# Altium PCB HIVE_BOARD - 10x10.PcbDoc (part 3 of 4) (continued)
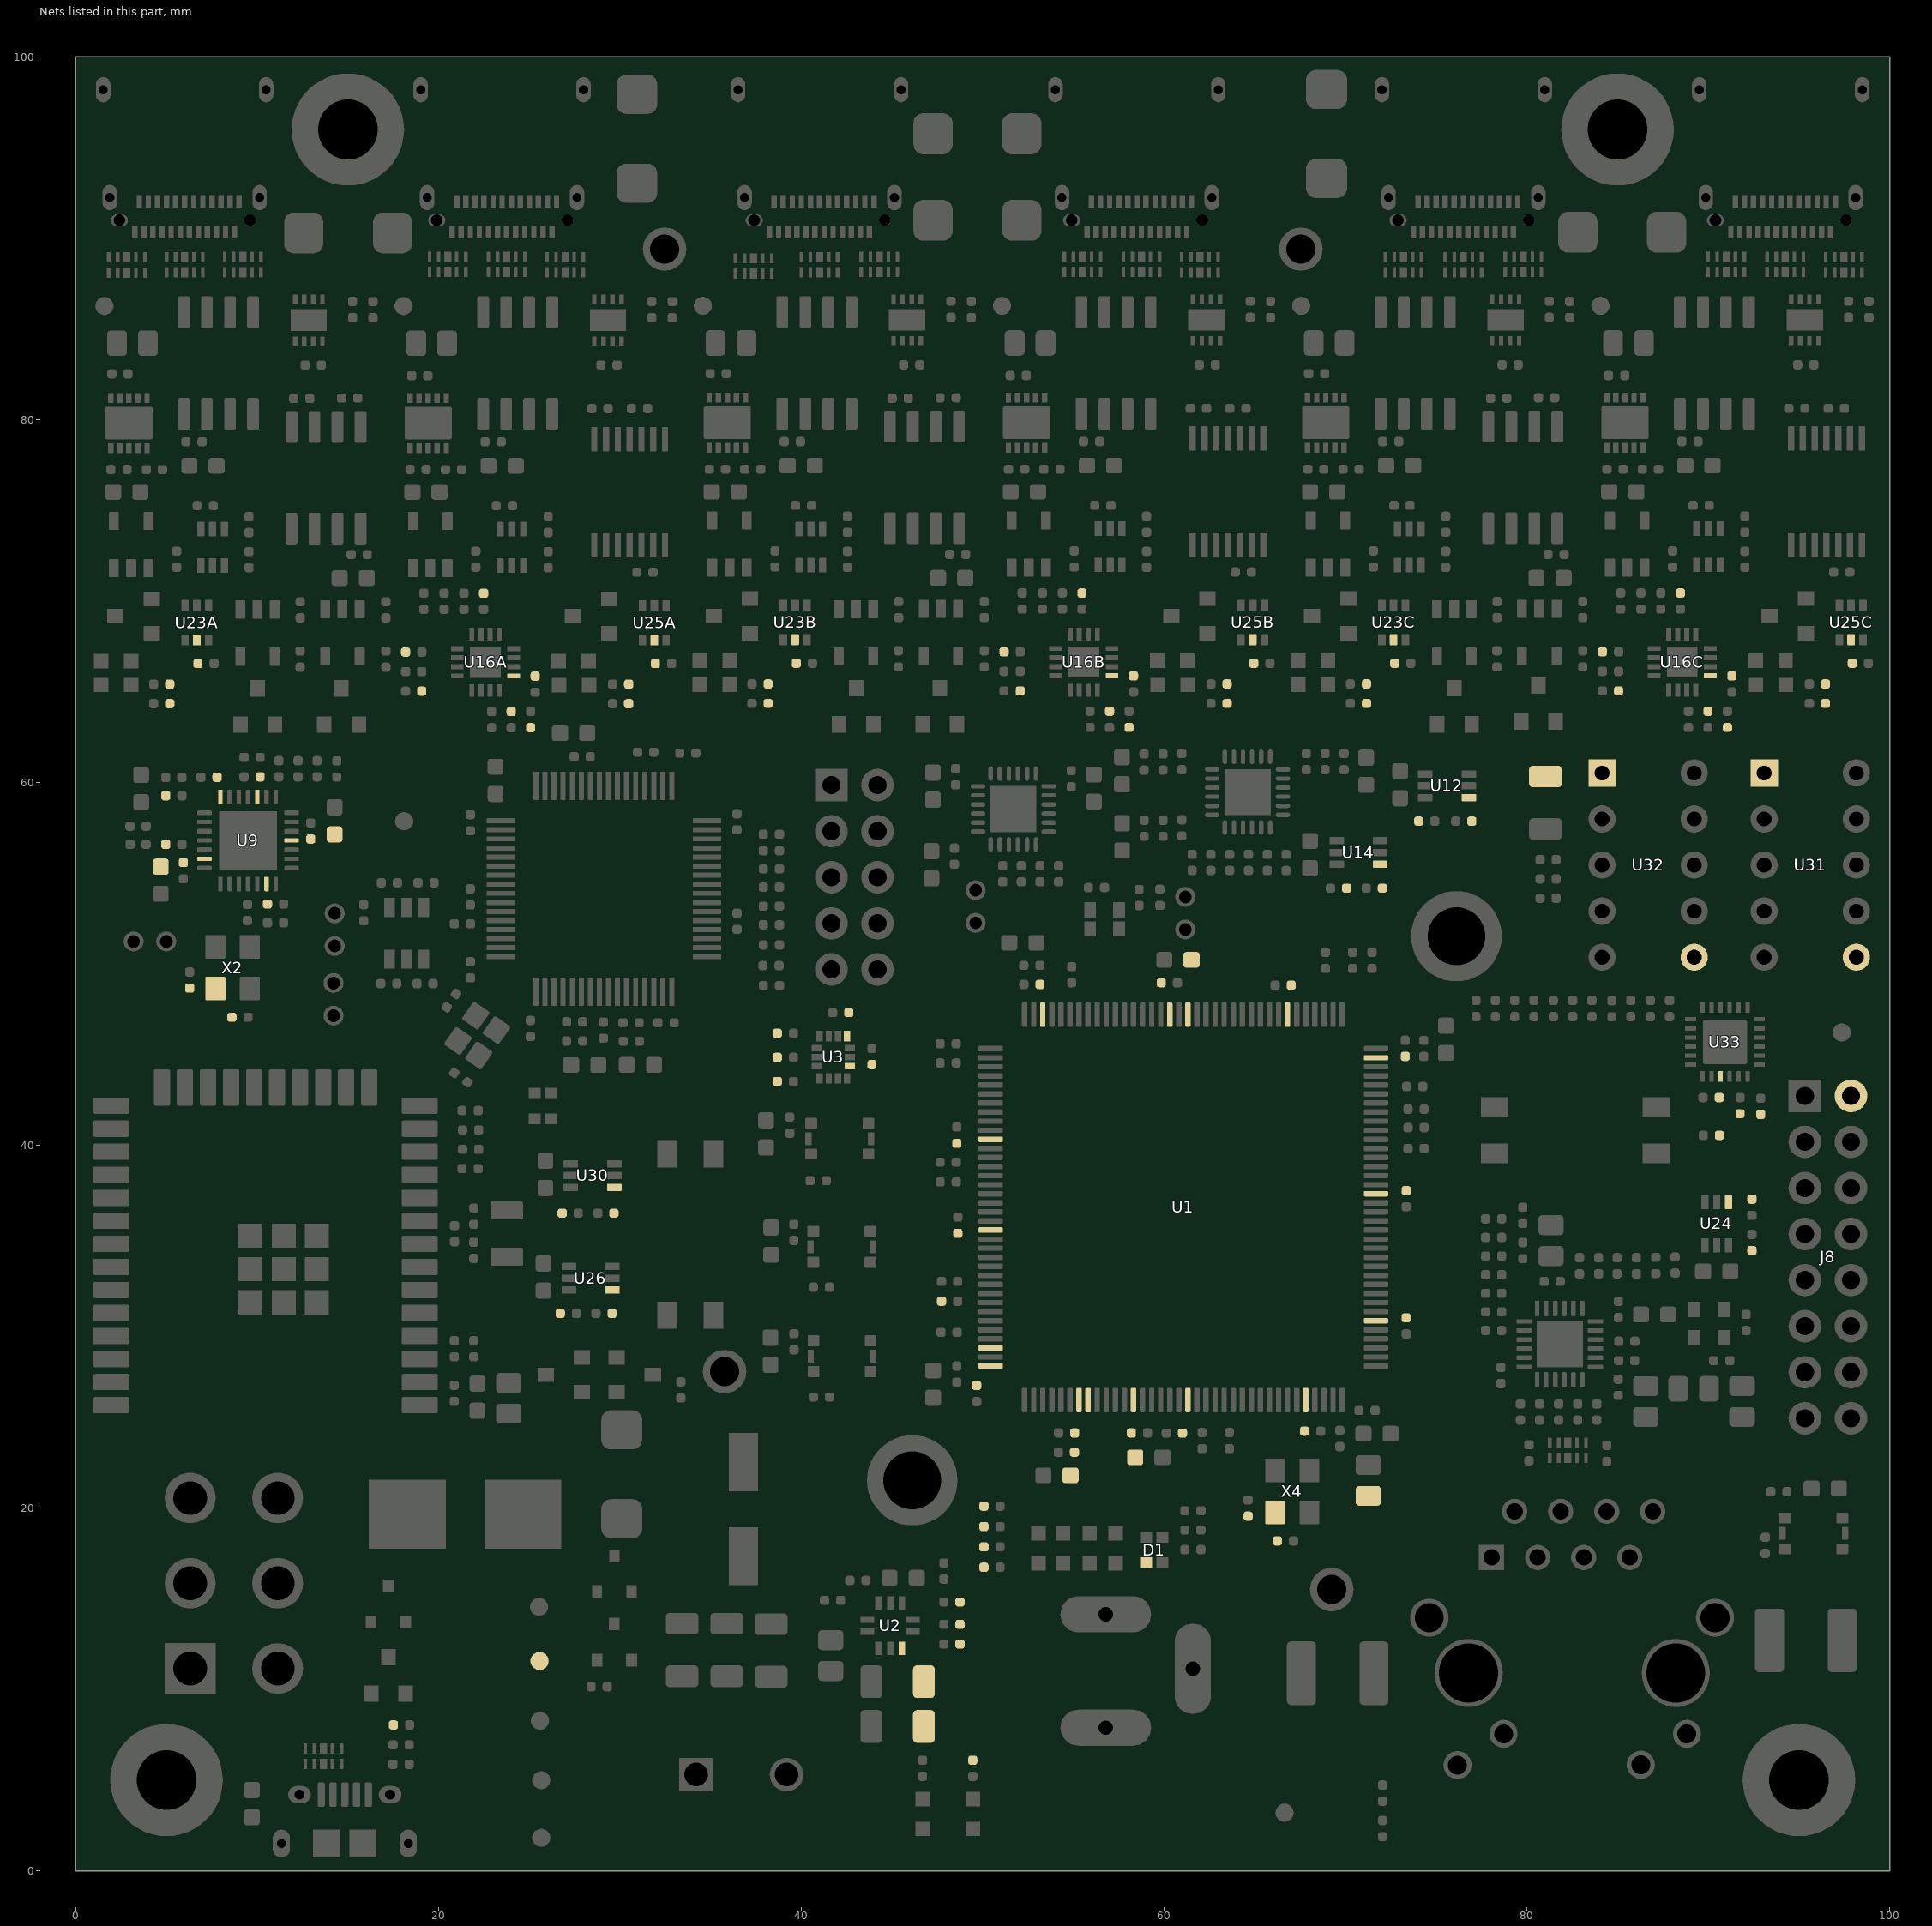
[diagram p7: the nets of this part, all layers, seen from the top]
## Part data (continued)
R72: library part RES_RC0402FR-072K2L, "RES - 2.2K 1% 1/16W - 0402", Manufacturer #1=Yageo, Package=0402, Power Max=1/16W, Supplier Part Number 1=311-2.20KLRCT-ND, Temperature="-55°C ~ 155°C", Tolerance=1%, Voltage Rating=50V, Assembly Type=SMD, CreatedBy/Date="Keven Deslandes 2018-11-14", Cryo=UNKNOWN, GRAMS Lib Spec=2.8, HelpURL=http://www.yageo.com/documents/recent/PYu-RC_Group_51_RoHS_L_10.pdf, Magnetic Material=Unknown, Part Number #1=RC0402FR-072K2L, Polarized=No, Supplier 1=Digi-Key, VerifiedBy="Caroline Paulin - 8 janv 2019"
R82 R161 R162 R163 R165 R166 R167 R168 R169 R170 R171 R172 R173: library part RES_RC0402FR-0733RL, "RES - 33 OHM 1% 1/16W - 0402", Manufacturer #1=Yageo, Package=0402, Power Max=1/16W, Supplier Part Number 1=311-33.0LRCT-ND, Temperature="-55°C ~ 155°C", Tolerance=1%, Voltage Rating=50V, Assembly Type=SMD, CreatedBy/Date="Louis-Daniel Gaulin/ 14/01/2020", Cryo=UNKNOWN, GRAMS Lib Spec=2.8c, HelpURL=https://www.yageo.com/upload/media/product/productsearch/datasheet/rchip/PYu-RC_Group_51_RoHS_L_10.pdf, Magnetic Material=Unknown, Part Number #1=RC0402FR-0733RL, Polarized=NO, Supplier 1=Digi-Key, VerifiedBy="C.Paulin - 21/01/2020"
R102A R102B R102C R105A R105B R105C: library part RES_RC0402FR-070RL, "RES - 0R 1/16W 1A  - 0402", Current Rating=1A, Manufacturer #1=Yageo, Package=0402, Power Max=1/16W, Supplier Part Number 1=311-0.0LRCT-ND, Temperature="-55°C ~ 155°C", Voltage Rating=50V, Assembly Type=SMD, CreatedBy/Date="Keven Deslandes 2018-09-12", Cryo=UNKNOWN, GRAMS Lib Spec=2.8, HelpURL=http://www.yageo.com/documents/recent/PYu-RC_Group_51_RoHS_L_10.pdf, Magnetic Material=Unknown, Part Number #1=RC0402FR-070RL, Polarized=No, Supplier 1=Digi-Key, VerifiedBy="Caroline Paulin - 27 fév 2019"
R103A R103B R103C R104A R104B R104C: library part RES_RC0402FR-0784R5L, "RES - 84R5 1% 1/16W - 0402", Manufacturer #1=Yageo, Package=0402, Power Max=1/16W, Supplier Part Number 1=YAG3246CT-ND, Temperature="-55°C ~ 155°C", Tolerance=1%, Voltage Rating=50V, Assembly Type=SMD, CreatedBy/Date="Philippe Arsenault/ 2021-03-31", GRAMS Lib Spec=2.8c, HelpURL=https://www.yageo.com/upload/media/product/productsearch/datasheet/rchip/PYu-RC_Group_51_RoHS_L_11.pdf, Magnetic Material=Unknown, Part Number #1=RC0402FR-0784R5L, Polarized=No, Supplier 1=Digi-Key
R108A R108B R108C: library part RES_RC0402FR-0740K2L, "RES - 40.2K 1% 1/16W - 0402", Current Rating=-, Manufacturer #1=Yageo, Package=0402, Power Max=1/16W, Supplier Part Number 1=311-40.2KLRCT-ND, Temperature="-55°C ~ 155°C", Tolerance=1%, Voltage Rating=50V, Assembly Type=SMD, CreatedBy/Date="Raphael Bouchard - 2019-08-09", Cryo=UNKNOWN, GRAMS Lib Spec=2.8, HelpURL=http://www.yageo.com/documents/recent/PYu-RC_Group_51_RoHS_L_10.pdf, Magnetic Material=Unknown, Manufacturer #2=-, Note=-, Part Number #1=RC0402FR-0740K2L, Part Number #2=-, Polarized=No, Supplier 1=Digi-Key, VerifiedBy="C.Paulin - 15/08/2019"
R130: library part RES_RC0402FR-0747RL, "RES -  47ohm ±1% 0.063W, 1/16W Chip Resistor 0402", Manufacturer #1=Yageo, Package=0402, Power Max=1/16W, Supplier Part Number 1=311-47.0LRCT-ND, Temperature="-55°C ~ 155°C", Tolerance=1%, Voltage Rating=50V, Assembly Type=SMD, CreatedBy/Date="Philippe Arsenault/2021-04-10", GRAMS Lib Spec=2.8, HelpURL=https://www.yageo.com/upload/media/product/productsearch/datasheet/rchip/PYu-RC_Group_51_RoHS_L_11.pdf, Magnetic Material=Unknown, Part Number #1=RC0402FR-0747RL, Polarized=No, Supplier 1=Digi-Key, VerifiedBy="Louis-Daniel Gaulin / 14-04-2021"
R132: library part RES_RC0402FR-071ML, "RES - 1M 1% 1/16W - 0402", Manufacturer #1=Yageo, Package=0402, Power Max=1/16W, Supplier Part Number 1=311-1.00MLRCT-ND, Temperature="-55°C ~ 155°C", Tolerance=1%, Voltage Rating=50V, Assembly Type=SMD, CreatedBy/Date="Keven Deslandes 2018-11-09", Cryo=UNKNOWN, GRAMS Lib Spec=2.8, HelpURL=http://www.yageo.com/documents/recent/PYu-RC_Group_51_RoHS_L_10.pdf, Magnetic Material=Unknown, Part Number #1=RC0402FR-071ML, Polarized=No, Supplier 1=Digi-Key, VerifiedBy="Caroline Paulin - 7 janv 2019"
R151A R151B R151C R152A R152B R152C: library part RES_CRCW04023R48FKED, "RES - 3.48 R ±1% 1/16W -  0402", Manufacturer #1="Vishay Dale", Package=0402, Power Max=1/16W, Supplier Part Number 1=541-3.48LLCT-ND, Temperature="-55°C ~ 155°C", Tolerance=1%, Voltage Rating=50V, Assembly Type=SMD, CreatedBy/Date="Louis-Daniel Gaulin / 2021-05-01", GRAMS Lib Spec=2.8c, HelpURL=https://www.vishay.com/docs/20035/dcrcwe3.pdf, Magnetic Material=Unknown, Part Number #1=CRCW04023R48FKED, Polarized=No, Supplier 1=Digi-Key, VerifiedBy="Philippe Arsenault/2021-05-10"
S1 S2 S3 S7: library part SWI_TACT_435171014816, "SWI - SWITCH TACTILE SPST-NO 0.05A 12V -SMD", Current Rating=50mA, Manufacturer #1="Würth Elektronik", Package=SMD, Supplier Part Number 1=732-435171014816CT-ND, Temperature="-40°C ~ 85°C", Voltage Rating=12VDC, Assembly Type=SMD, CreatedBy/Date="Hubert Dube - 22/07/20", Cryo=UNKNOWN, GRAMS Lib Spec=2.8, HelpURL=https://www.we-online.com/catalog/datasheet/435171014816.pdf, Magnetic Material=UNKNOWN, Part Number #1=435171014816, Polarized=No, Supplier 1=Digi-Key, VerifiedBy="Louis-Daniel Gaulin / 12-11-2020"
S4: library part SWI_500SDP1S1M2QEA, "SWI - SLIDE DPDT 5A 120V - TH", Current Rating=5A, Manufacturer #1=E-Switch, Manufacturer #2=-, Package="12.7x11.43mm plastic", Supplier Part Number 1=EG2475-ND, Temperature="-30°C ~ 85°C", Voltage Rating=120VAC/28VDC, Assembly Type=TH, CreatedBy/Date="Louis-Daniel Gaulin / 29-04-2021", Cryo=UNKNOWN, GRAMS Lib Spec=2.8c, HelpURL=https://sten-eswitch-13110800-production.s3.amazonaws.com/system/asset/product_line/data_sheet/115/500.pdf, Magnetic Material=Unknown, Part Number #1=500SDP1S1M2QEA, Part Number #2=-, Polarized=Yes, Power Max=-, Supplier 1=Digi-Key, Tolerance=-, VerifiedBy="Philippe Arsenault/ 2021-04-30"
S5 S6: library part SWI_A6S-2104-H, "SWI - Dip Switch SPST 2 Pos 25mA 24V - SMD", Current Rating=25mA, Manufacturer #1="Omron Electronics Inc-EMC Div", Package=DIP_SMD, Supplier Part Number 1=SW1009-ND, Temperature="-20°C ~ 70°C", Voltage Rating=24VDC, Assembly Type=SMD, CreatedBy/Date="Joel Lemay 2018-06-15", Cryo=UNKNOWN, GRAMS Lib Spec=2.8, HelpURL=http://omronfs.omron.com/en_US/ecb/products/pdf/en-a6s.pdf, Magnetic Material=Unknown, Part Number #1=A6S-2104-H, Polarized=Yes, Supplier 1=Digi-Key, VerifiedBy="Caroline Paulin - 6 sept 2018"
TP1 TP2 TP3 TP4 TP5 TP6A TP6B TP6C TP7A TP7B TP7C: library part TPO_SMD_ROUND_1MM, "TPO - TEST POINT ROUND SMD PAD ONLY  - 1 MM", Package="1 MM ROUND", Assembly Type=NONE, CreatedBy/Date="Jonathan Bouchard 2018-07-17", Cryo=UNKNOWN, GRAMS Lib Spec=2.8, Magnetic Material=NO, VerifiedBy="Arnaud Samson 23-07-18"
TP8 TP9 TP10 TP11 TP12: library part TPO_TH_ROUND_0.7mm_DOUBLE, "TPO - TH round 0.7mm double - 2-SMD", Current Rating=-, Package=2-SMD, Assembly Type=TH, CreatedBy/Date="Philippe Arsenault / 20-04-2021", GRAMS Lib Spec=2.8, HelpURL=-, Magnetic Material=-, Manufacturer #1=-, Manufacturer #2=-, Note=-, Part Number #1=-, Part Number #2=-, Polarized=-, Power Max=-, Supplier 1=-, Supplier Part Number 1=-, Temperature=-, Tolerance=-, VerifiedBy="Louis-Daniel Gaulin / 29-04-2021", Voltage Rating=-
TP13 TP14 TP15 TP16: library part TPO_5011, "TPO - TEST POINT - TH", Manufacturer #1="Keystone Electronics", Assembly Type=TH, CreatedBy/Date="Louis-Daniel Gauli / 02-11-2020", Cryo=UNKNOWN, GRAMS Lib Spec=2.8, HelpURL=https://www.keyelco.com/userAssets/file/M65p56.pdf, Magnetic Material=UNKNOWN, Part Number #1=5011, Polarized=No, Supplier 1=Digi-Key, VerifiedBy="Philippe Arsenault/2020-11-06"
U1: library part MCU_STM32H735ZGT6, "ARM® Cortex®-M7 series Microcontroller IC 32-Bit 550MHz 1MB (1M x 8) FLASH 564K RAM - 144-LQFP (20x20)", Current Rating=620mA, Manufacturer #1=STMicroelectronics, Package="144-LQFP (20x20)", Power Max=2.2W, Supplier Part Number 1=497-STM32H735ZGT6-ND, Temperature="-40°C ~ 85°C (TA)", Voltage Rating="1.62V ~ 3.6V", Assembly Type=SMD, CreatedBy/Date="Philippe Arsenault/2021-04-08", GRAMS Lib Spec=2.8, HelpURL=https://www.st.com/resource/en/datasheet/stm32h735ag.pdf, Magnetic Material=Unknown, Part Number #1=STM32H735ZGT6, Polarized=Yes, Supplier 1=Digi-Key, VerifiedBy="Louis-Daniel Gaulin / 08-04-2021"
U2: library part REG_SWR_RPL-3.0-CT, "REG_DC DC CONVERTER 3~18V input 0.8~5.2V output 3A - 10-SMD", Current Rating=3A, Manufacturer #1="Recom Power", Package=10-SMD, Supplier Part Number 1=945-RPL-3.0-CT-ND, Temperature=-40°C~125°C, Voltage Rating="3~18V (IN), 0.8~5.2V (OUT)", Assembly Type=SMD, CreatedBy/Date="Louis-Daniel Gaulin / 11-04-2021", Cryo=UNKNOWN, GRAMS Lib Spec=2.8c, HelpURL=https://recom-power.com/pdf/Innoline/RPL-3.0.pdf, Magnetic Material=Unknown, Part Number #1="Recom Power", Polarized=Yes, Supplier 1=Digi-Key, VerifiedBy="Philippe Arsenault/2021-04-14"
U3: library part SEN_IMU_LSM6DSMTR, "SEN_IMU -  ACCEL/GYRO 6 Axis I2C/SPI - 14-VFLGA", Current Rating=0.65mA, Manufacturer #1=STMicroelectronics, Manufacturer #2=-, Package=14-VFLGA, Power Max=3mW, Supplier Part Number 1=497-16696-1-ND, Temperature="-40°C ~ 85°C (TA)", Voltage Rating="1.71V ~ 3.6V", Assembly Type=SMD, CreatedBy/Date="Louis-Daniel Gaulin / 06-10-2020", GRAMS Lib Spec=2.7c, HelpURL=https://www.st.com/content/ccc/resource/technical/document/datasheet/76/27/cf/88/c5/03/42/6b/DM00218116.pdf/files/DM00218116.pdf/jcr:content/translations/en.DM00218116.pdf, Magnetic Material=Unknown, Note=-, Part Number #1=LSM6DSMTR, Part Number #2=-, Polarized=YES, Supplier 1=Digi-Key, Tolerance=-, VerifiedBy="Philippe Arsenault/2020-11-06"
U4: library part COM_ETH_LAN8742A-CZ, "COM_ETH_ Ethernet PHY 1/1 Transceiver  Ethernet 24-SQFN (4x4) 10/100 BASE-T", Manufacturer #1="Microchip Technology", Package="24-SQFN (4x4)", Supplier Part Number 1=LAN8742A-CZ-ND, Temperature="0°C ~ 70°C", Voltage Rating="1.6 ~ 3.6V", Assembly Type=SMD, CreatedBy/Date="Hubert Dube -  28/01/2021", GRAMS Lib Spec=2.7, HelpURL=https://ww1.microchip.com/downloads/en/DeviceDoc/DS_LAN8742_00001989A.pdf, Magnetic Material=Unknown, Part Number #1=LAN8742A-CZ, Polarized=Yes, Supplier 1=Digi-Key, VerifiedBy="Philippe Arsenault 2021-03-10"
U5: library part COM_ESP32-WROOM-32UE(4MB), "Bluetooth, WiFi 802.11b/g/n, Bluetooth v4.2 +EDR, Class 1, 2 and 3 Transceiver Module 2.4GHz ~ 2.5GHz Antenna Not Included, U.FL Surface Mount", Current Rating=1100mA, Manufacturer #1="Espressif Systems", Package="38-SMD MODULE", Power Max=3.96W, Supplier Part Number 1=1965-ESP32-WROOM-32UE(4MB)TR-ND, Temperature=-40~85C, Voltage Rating="-0.3 to 3.6V", Assembly Type=SMD, CreatedBy/Date="Hubert Dube -  25/02/2021", GRAMS Lib Spec=2.7, HelpURL=https://www.espressif.com/sites/default/files/documentation/esp32-wroom-32e_esp32-wroom-32ue_datasheet_en.pdf, Magnetic Material=Unknown, Note="Antenna not included", Part Number #1="ESP32-WROOM-32UE (4MB)", Polarized=Yes, Supplier 1=Digi-Key, VerifiedBy="Philippe Arsenault/ 2021-03-11"
U6: library part COM_USB_FT4232HL-REEL, "COM_USB - Bridge, USB to UART,FIFO USB 2.0 FIFO, JTAG Quad channel Interface -  64-LQFP (10x10)", Current Rating=220mA, Manufacturer #1="FTDI, Future Technology Devices International Ltd", Package=64-LQFP, Power Max=800mW, Supplier Part Number 1=768-1026-1-ND, Temperature="-40°C ~ 85°C", Voltage Rating="3V ~ 3.6V (VCCIO), 1.62V ~ 1.98V (core)", Assembly Type=SMD, CreatedBy/Date="Philippe Arsenault/2021-04-07", GRAMS Lib Spec=2.8, HelpURL=https://www.ftdichip.com/Support/Documents/DataSheets/ICs/DS_FT4232H.pdf, Magnetic Material=Unknown, Part Number #1=FT4232HL-REEL, Polarized=Yes, Supplier 1=Digi-Key, VerifiedBy="Louis-Daniel Gaulin / 08-04-2021"
U7 U8: library part TIM_FAN_SI53342-B-GM, "TIM_FAN -  Clock Fanout Buffer 1.25GHz , Multiplexer IC 2:6 - 24-VFQFN EP", Current Rating=121mA, Manufacturer #1="Silicon Labs", Package=24-QFN, Supplier Part Number 1=336-3840-ND, Temperature="-40°C ~ 85°C", Voltage Rating="1.71V ~ 3.63V", Assembly Type=SMD, CreatedBy/Date="Philippe Arsenault/ 2021-04-01", GRAMS Lib Spec=2.8, HelpURL=https://www.silabs.com/documents/public/data-sheets/si5334x-datasheet.pdf, Magnetic Material=Unknown, Part Number #1=SI53342-B-GM, Polarized=YES, Supplier 1=Digi-Key
U9: library part USB_USB2412-DZK, "USB Hub Controller USB 2.0 USB Interface 28-QFN", Manufacturer #1="Microchip Technology", Part Number #1=638-1114-ND, Supplier Part Number 1=USB2412-DZK-CT-ND, Temperature="0°C ~ 70°C", Voltage Rating="3V ~ 3.6V", Assembly Type=SMD, CreatedBy/Date="Hubert Dube -  12/02/2021", GRAMS Lib Spec=2.7, HelpURL=https://ww1.microchip.com/downloads/en/DeviceDoc/2412.pdf, Magnetic Material=Unknown, Polarized=Yes, Supplier 1=Digi-Key, VerifiedBy="Philippe Arsenault/2021-03-14"
U10A U10B U10C U22A U22B U22C: library part COM_BUF_DS90LV001TLD/NOPB, "COM_BUF - ReDriver 1 Channel 800Mbps CML,LVDS,LVPECL to LVDS -   / 8-WFDFN EP", Current Rating=70mA, Manufacturer #1="Texas Instruments", Package="8-WFDFN EP", Power Max=-, Supplier Part Number 1=DS90LV001TLD/NOPBCT-ND, Temperature="-40°C ~ 85°C", Voltage Rating="3V ~ 3.6V", Assembly Type=SMD, CreatedBy/Date="Louis-Daniel Gaulin / 07-04-2021", GRAMS Lib Spec=2.8, HelpURL=https://www.ti.com/lit/ds/symlink/ds90lv001.pdf?HQS=dis-dk-null-digikeymode-dsf-pf-null-wwe&ts=1617891563599, Magnetic Material=Unknown, Part Number #1=DS90LV001TLD/NOPB, Polarized=Yes, Supplier 1=Digi-Key, VerifiedBy="Philippe Arsenault/2021-04-08"
U11A U11B U11C U20A U20B U20C: library part LOG_BUF_TC7PZ05FU,LJ(CT, "LOG_BUF - DUAL Buffer inverting Open Drain - SOT-363", Current Rating="100mA VCC - 50mA output", Manufacturer #1="Toshiba Semiconductor and Storage", Package=SOT-363, Power Max=200mW, Supplier Part Number 1=TC7PZ05FULJ(CTCT-ND, Temperature="-40°C ~ 125°C (TA)", Voltage Rating="2V ~ 5.5V", Assembly Type=SMD, CreatedBy/Date="Louis-Daniel Gaulin / 14-04-2021", GRAMS Lib Spec=2.8, HelpURL=https://toshiba.semicon-storage.com/info/docget.jsp?did=30530&prodName=TC7PZ05FU, Magnetic Material=Unknown, Part Number #1=TC7PZ05FU,LJ(CT, Polarized=Yes, Supplier 1=Digi-Key, VerifiedBy="Philippe Arsenault/2021-04-14"
U12 U14 U24 U26 U30: library part POW_MIC94072YC6-TR, "POW - Load switch 1.2A 120mOhm 1:1 P-Channel -  SC-70-6", Current Rating=1.2A, Manufacturer #1="Microship Technology", Package=SC-70-6, Supplier Part Number 1=576-3580-1-ND, Temperature="-40°C ~ 125°C (TA)", Voltage Rating="1.7V ~ 5.5V", Assembly Type=SMD, CreatedBy/Date="Louis-Daniel Gaulin / 29-04-2021", Cryo=UNKNOWN, GRAMS Lib Spec=2.8c, HelpURL=https://ww1.microchip.com/downloads/en/DeviceDoc/mic94070-3.pdf, Magnetic Material=Unknown, Part Number #1=MIC94072YC6-TR, Polarized=Yes, Supplier 1=Digi-Key, VerifiedBy="Philippe Arsenault/2021-04-30"
U13: library part MEM_EEPROM_93LC46AT-E/OT, "EEPROM Memory IC 1Kb (128 x 8) SPI 2MHz  SOT-23-6", Manufacturer #1="Microchip Technology", Package=SOT-23-6, Part Number #1=93LC46AT-E/OTCT-ND, Temperature="-40°C ~ 125°C", Voltage Rating="2.5V ~ 5.5V", Assembly Type=SMD, CreatedBy/Date="Hubert Dube -  13/03/2021", GRAMS Lib Spec=2.7, HelpURL=https://ww1.microchip.com/downloads/en/DeviceDoc/20001749K.pdf, Magnetic Material=Unknown, Polarized=Yes, Supplier 1=Digi-Key, Supplier Part Number 1=93LC46AT-E/OTCT-ND, VerifiedBy="Philippe Arsenault - 17/03/2021 + HD 19/03/2021"
U15A U15B U15C U19A U19B U19C: library part COM_XCV_FIN1027AMX, "COM_XCV - 3V3 LVCMOS to LVDS, 2 bits, High-SPEED, DIFF driver - SOIC-8", Current Rating=17mA, Manufacturer #1="ON Semiconductor", Package=SOIC-8, Power Max=56mW, Supplier Part Number 1=FIN1027AMXCT-ND, Temperature="-40°C ~ 85°C", Voltage Rating="3V ~ 3.6V", Assembly Type=SMD, CreatedBy/Date="Philippe Arsenault/2021-04-01", GRAMS Lib Spec=2.8, HelpURL=https://www.onsemi.com/pdf/datasheet/fin1027a-d.pdf, Magnetic Material=Unknown, Part Number #1=FIN1027AMX, Polarized=YES, Supplier 1=Digi-Key, VerifiedBy="Louis-Daniel Gaulin - 05/04/2021"
U16A U16B U16C: library part CMP_LM339LVRTER, "COMP - Quad Comparator General Purpose Open-Drain, Rail-to-Rail - 16-WQFN (3x3)", Current Rating="100mA@5V (SC)", Manufacturer #1="Texas instrument", Package="16-WFQFN Exposed Pad", Power Max=-, Supplier Part Number 1=296-LM339LVRTERCT-ND, Temperature="-40°C ~ 125°C (TA)", Voltage Rating="1.65V ~ 5.5V", Assembly Type=SMD, CreatedBy/Date="Philippe Arsenault/2021-04-10", GRAMS Lib Spec=2.8, HelpURL=https://www.ti.com/lit/ds/symlink/lm339lv.pdf?ts=1618013735062, Magnetic Material=Unknown, Part Number #1=LM339LVRTER, Polarized=Yes, Supplier 1=Digi-Key, VerifiedBy="Louis-Daniel Gaulin / 14-04-2021"
U17A U17B U17C: library part COM_XCV_FIN1028MX, "COM_XCV - 3V3 LVDS to LVCMOS, 2 bits, High-SPEED, DIFF receiver - SOIC-8", Current Rating=9mA, Manufacturer #1="ON Semiconductor", Package=SOIC-8, Power Max=30mW, Supplier Part Number 1=FIN1028MXCT-ND, Temperature="-40°C ~ 85°C", Voltage Rating="3V ~ 3.6V", Assembly Type=SMD, CreatedBy/Date="Philippe Arsenault/2021-04-01", GRAMS Lib Spec=2.8, HelpURL=https://www.onsemi.com/pdf/datasheet/fin1028-d.pdf, Magnetic Material=Unknown, Part Number #1=FIN1028MX, Polarized=YES, Supplier 1=Digi-Key, VerifiedBy="Louis-Daniel Gaulin - 05/04/2021"
U18A U18B U18C: library part LOG_BUF_74LVC126APW,118, "LOG_BUF - Quad Buffer non-inverting 3-States - 14-TSSOP", Current Rating="100mA (supply) - 24mA (output)", Manufacturer #1="Nexperia USA Inc.", Package=14-TSSOP, Power Max=500mW, Supplier Part Number 1=1727-5979-1-ND, Temperature="-40°C ~ 125°C (TA)", Voltage Rating="1.65V ~ 3.6V", Assembly Type=SMD, CreatedBy/Date="Louis-Daniel Gaulin / 11-04-2021", GRAMS Lib Spec=2.8, HelpURL=https://assets.nexperia.com/documents/data-sheet/74LVC126A.pdf, Magnetic Material=Unknown, Part Number #1=74LVC126APW,118, Polarized=Yes, Supplier 1=Digi-Key, VerifiedBy="Philippe Arsenault/2021-04-14"
U21A U21B U21C U27A U27B U27C: library part POW_NIS6150MT1TXG, "POW -  Electronic Fuse Regulator 1A -  10-WDFNW", Current Rating=1A, Manufacturer #1="On Semiconductor", Package=10-WDFNW, Supplier Part Number 1=488-NIS6150MT1TXGCT-ND, Temperature="-40°C ~ 125°C (TA)", Tolerance="See datasheet", Voltage Rating="-0.3V ~ 10V", Assembly Type=SMD, CreatedBy/Date="Louis-Daniel Gaulin / 29-04-2021", Cryo=UNKNOWN, GRAMS Lib Spec=2.8c, HelpURL=https://www.onsemi.com/pdf/datasheet/nis6150-d.pdf, Magnetic Material=Uknown, Part Number #1=NIS6150MT1TXG, Polarized=Yes, Supplier 1=DigiKey, VerifiedBy="Philippe Arsenault/2021-04-30"
U23A U23B U23C U25A U25B U25C: library part LOG_AND_74LVC1G11DW-7, "LOG - AND Gate, 1CH 3-INP - 6-TSSOP", Current Rating=32mA, Manufacturer #1="Diodes Incorporated", Package=6-TSSOP, Supplier Part Number 1=74LVC1G11DW-7CT-ND, Temperature="-40°C ~ 125°C", Voltage Rating="1.65V ~ 5.5V", Assembly Type=SMD, CreatedBy/Date="Louis-Daniel Gaulin / 26-02-2020", Cryo=UNKNOWN, GRAMS Lib Spec=2.8c, HelpURL=https://www.diodes.com/assets/Datasheets/74LVC1G11.pdf, Magnetic Material=Unknown, Part Number #1=74LVC1G11DW-7, Polarized=Yes, Supplier 1=Digi-Key, VerifiedBy="C.Paulin - 9/03/2020"
U28A U28B U28C U29A U29B U29C: library part LOG_BUF_74AHC1G07GV,125, "LOG_BUF - Buffer non-inverting Open Drain - SC-74A", Current Rating=8mA, Manufacturer #1="Nexperia USA Inc.", Package=SC-74A, Power Max=-, Supplier Part Number 1=1727-6761-1-ND, Temperature="-40°C ~ 125°C (TA)", Voltage Rating="2V ~ 5.5V", Assembly Type=SMD, CreatedBy/Date="Louis-Daniel Gaulin / 07-04-2021", GRAMS Lib Spec=2.8, HelpURL=https://assets.nexperia.com/documents/data-sheet/74AHC1G07.pdf, Magnetic Material=Unknown, Part Number #1=74AHC1G07GV,125, Polarized=Yes, Supplier 1=Digi-Key, VerifiedBy="Philippe Arsenault/2021-04-08"
U31 U32: library part LED_7SEG_INND-TS30RAB, "LED_7SEG  - LED Character and Numeric Red 7-Segment 1 Character Common Anode 2V - 10-TH", Current Rating=20mA, Package=10-TH, Supplier Part Number 1=1830-1146-ND, Temperature="-35°C ~ 85°C", Voltage Rating="2V (Vf)", Assembly Type=TH, CreatedBy/Date="Louis-Daniel Gaulin / 10-05-2021", Cryo=UNKNOWN, GRAMS Lib Spec=2.8, HelpURL=http://www.inolux-corp.com/datasheet/Display/Through-Hole-Display/SingleDigit/INND-TS30%20Series_V1.0.pdf, Magnetic Material=Unknown, Manufacturer #1=INND-TS30RAB, Note="Operate at 10mA", Part Number #1=INND-TS30RAB, Polarized=Yes, Supplier 1=Digi-Key, VerifiedBy="Philippe Arsenault/10-05-2021"
U33: library part LOG_IOEXP_TCA9539RGER, "LOG - 16-Bit I2C/SMBus, I/O Expander - 24-VQFN-EP", Manufacturer #1="Texas Instruments", Package=24-VQFN-EP, Supplier Part Number 1=296-44209-1-ND, Temperature="-40°C ~ 85°C", Voltage Rating="1.65V ~ 5.5V", Assembly Type=SMD, CreatedBy/Date="Louis-Daniel Gaulin / 10-05-2021", Cryo=UNKNOWN, GRAMS Lib Spec=2.8, HelpURL=https://www.ti.com/lit/ds/symlink/tca9539.pdf?HQS=dis-dk-null-digikeymode-dsf-pf-null-wwe&ts=1620652560420, Magnetic Material=Unknown, Part Number #1=TCA9539RGER, Polarized=Yes, Supplier 1=Digi-Key, VerifiedBy="Philippe Arsenault/2021-05-10"
U34A U34B U34C U35A U35B U35C: library part LOG_BUF_74LVC1G126GV,125, "LOG_BUF - Buffer non-inverting 3-States - SC-74A", Current Rating=50mA, Manufacturer #1="Nexperia USA Inc.", Package=SC-74A, Power Max=-, Supplier Part Number 1=1727-6066-1-ND, Temperature="-40°C ~ 125°C (TA)", Voltage Rating="1.65V ~ 5.5V", Assembly Type=SMD, CreatedBy/Date="Philippe Arsenault/2021-04-08", GRAMS Lib Spec=2.8, HelpURL=https://assets.nexperia.com/documents/data-sheet/74LVC1G126.pdf, Magnetic Material=Unknown, Part Number #1=74LVC1G126GV,125, Polarized=Yes, Supplier 1=Digi-Key, VerifiedBy="Louis-Daniel Gaulin / 11-04-2021"
X1: library part OSC_CRY_ASDM1-25.000MHZ-LC-T, "OSC_CRY - 25MHz +-50ppm LVCMOS Crystal", Current Rating=15mA, Manufacturer #1="Abracon LLC", Package=4-SMD, Power Max=50mW, Supplier Part Number 1=535-9792-1-ND, Temperature="-40°C ~ 85°C", Voltage Rating="3.0 ~ 3.6V", Assembly Type=SMD, CreatedBy/Date="Philippe Arsenault/2021-04-07", GRAMS Lib Spec=2.8, HelpURL=https://abracon.com/Oscillators/ASDM.pdf, Magnetic Material=Unknown, Part Number #1=ASDM1-25.000MHZ-LC-T, Polarized=YES, Supplier 1=Digi-Key, VerifiedBy="Louis-Daniel Gaulin / 08-04-2021"
X2 X4: library part "OSC_O 24,0-JO32-B-1V3-1-T1-LF", "OSC - 24MHz XO (Standard) LVCMOS Oscillator 1.8V ~ 3.3V Enable/Disable 4-SMD, No Lead", Current Rating=4mA, Manufacturer #1="Jauch Quartz", Package="4-SMD, No Lead", Power Max=13mW, Supplier Part Number 1=1908-O240-JO32-B-1V3-1-T1-LFCT-ND, Temperature="-40°C ~ +85°C", Tolerance=±50ppm, Voltage Rating="1.8V ~ 3.3V", Assembly Type=SMD, CreatedBy/Date="Louis-Daniel Gaulin / 13-04-2021", Cryo=UNKNOWN, GRAMS Lib Spec=2.8c, HelpURL=https://www.jauch.com/downloadfile/5ef1edcfb8e2f73163c8ce8009ef659d1/jo32-1.8-3.3v.pdf, Magnetic Material=Unknown, Part Number #1="O 24,0-JO32-B-1V3-1-T1-LF", Polarized=Yes, Supplier 1=Digi-Key, VerifiedBy="Philippe Arsenault/2021-04-14"
X3: library part CRY_VMK3-9005-32K7680000, "CRY - 32.768KHZ tol:20ppm  - 2-SMD", Manufacturer #1="Microchip Technology", Package="2-SMD, No Lead", Supplier Part Number 1=150-VMK3-9005-32K7680000CT-ND, Temperature="-40°C ~ 85°C", Tolerance=±20ppm, Assembly Type=SMD, CreatedBy/Date="Louis-Daniel Gaulin / 08-04-2021", Cryo=UNKNOWN, GRAMS Lib Spec=2.8c, HelpURL=https://www.vectron.com/products/crystals/VMK3_VMK4.pdf, Magnetic Material=Unknown, Note="The capacitance is unclear - migthcause problems", Part Number #1=VMK3-9005-32K7680000, Polarized=No, Supplier 1=Digi-Key, VerifiedBy="Philippe Arsenault/2021-04-15"
Y1: library part "OSC_O 38,40-JT21G-E-M-3,3-LF", "OSC -  TCXO Clipped Sine Wave Oscillator 3.3V 38.4MHz - 4-SMD", Current Rating=2mA, Manufacturer #1="Jauch Quartz", Package=SMD-4, Power Max=7mW, Supplier Part Number 1=1908-O38,40-JT21G-E-M-3,3-LFCT-ND, Temperature="-30°C ~ 85°C", Tolerance="±2 ppm", Voltage Rating=3.14V~3.46V, Assembly Type=SMD, CreatedBy/Date="Louis-Daniel Gaulin / 30-04-2021", GRAMS Lib Spec=2.8, HelpURL=https://www.jauch.com/downloadfile/5ea1ac91e1fcc808473bf53821b4b903d/jt21g_200519_online.pdf, Magnetic Material=Unknown, Part Number #1="O 38,40-JT21G-E-M-3,3-LF", Polarized=Yes, Supplier 1=Digi-Key, VerifiedBy="Philippe Arsenault/2021-04-30"
Y3: library part "CRY_FA-20H 12.0000MD30Z-K3", "CRY - 12MHz ±30ppm Crystal 10pF 150 Ohms 4-SMD, No Lead", Manufacturer #1=EPSON, Package="4-SMD, No Lead", Supplier Part Number 1=SER4113CT-ND, Temperature="-40°C ~ 85°C", Tolerance=±30ppm, Voltage Rating="1.8V ~ 3.3V", Assembly Type=SMD, CreatedBy/Date="Hubert Dube - 13/03/2021", Cryo=UNKNOWN, GRAMS Lib Spec=2.8, HelpURL=https://support.epson.biz/td/api/doc_check.php?dl=brief_FA-20H&lang=en, Magnetic Material=Unknown, Part Number #1="FA-20H 12.0000MD30Z-K3", Polarized=Yes, Supplier 1=Digi-Key, VerifiedBy="Philippe Arsenault - 2021/03/16"

## Via types
v1: diameter 0.5, hole 0.3, Top to Bottom, 18 vias
v2: diameter 0.45, hole 0.25, Top to Bottom, 15 vias
v3: diameter 0.4, hole 0.25, Top to Bottom, 12 vias
v4: diameter 0.4, hole 0.254, Top to Bottom, 12 vias
v5: diameter 0.5, hole 0.2, Top to Bottom, 8 vias
v6: diameter 0.4, hole 0.25, Top to Bottom, tented bottom, 5 vias

## Nets (pads, with @x,y where several pads share a name; then routed paths per layer and width w, separated by ;. In a path a pad name is that pad's centre, name@x,y a point inside that pad or via, vN(x,y) a via of type N, cw(c..) or ccw(c..) an arc to the next point about the centre after c; other vN are vias at no path point)
3V3: C1.2 C2.1 C5.2 C7.1 C8.1 C9.1 C10.1 C11.2 C12.1 C13.1 C14.1 C15.1 C16.1 C17.1 C18.1 C19.1 C26.2 C27.1 C30.1 C36.2 C38.1 C41.2 C42.2 C43.2 C44.2 C45.2 C46.2 C49.2 C77.1 C78.1 C85.2 C96.1 C117A.2 C117B.2 C117C.2 C123.2 C128A.2 C128B.2 C128C.2 C129.1 C133A.2 C133B.2 C133C.2 C135.1 C136.1 C142.1 C148.2 D1.3 J8.2 L1.1 R4.1 R5.1 R6.1 R10.1 R15.2 R22.1 R23.1 R25.2 R27.1 R28.1 R29.1 R33.1 R64.1 R77A.2 R77B.2 R77C.2 R96.1 R98.1 R100A.1 R100B.1 R100C.1 R101A.1 R101B.1 R101C.1 R109.1 R110A.2 R110B.2 R110C.2 R111A.1 R111B.1 R111C.1 R113A.1 R113B.1 R113C.1 R114.2 R115A.2 R115B.2 R115C.2 R116.1 R120.1 R123A.2 R123B.2 R123C.2 R124A.1 R124B.1 R124C.1 R125.1 R129.1 R131.1 R134.2 R153.2 TP4.1 U1.7 U1.8 U1.13 U1.19 U1.32 U1.42 U1.56 U1.71 U1.79 U1.90 U1.92 U1.106 U1.119 U1.129 U1.142 U1.144 U2.5 U3.5 U3.8 U9.4 U9.10 U9.14 U9.20 U9.27 U12.4 U14.4 U16A.1 U16B.1 U16C.1 U23A.5 U23B.5 U23C.5 U24.4 U25A.5 U25B.5 U25C.5 U26.4 U30.4 U31.1 U31.6 U32.1 U32.6 U33.21 X2.4 X4.4